# Altium PCB Health Bracelet PCB.PcbDoc
Units mm, origin at the board's own origin, x right, y up, seen from the top; angles counter-clockwise.
Board outline 45.09 x 14.86 mm, 2 copper layers (Top Layer, Bottom Layer); 74 components, 71 nets, 281 pads, 93 vias.
Unrouted connection lines stored in the file: 171.
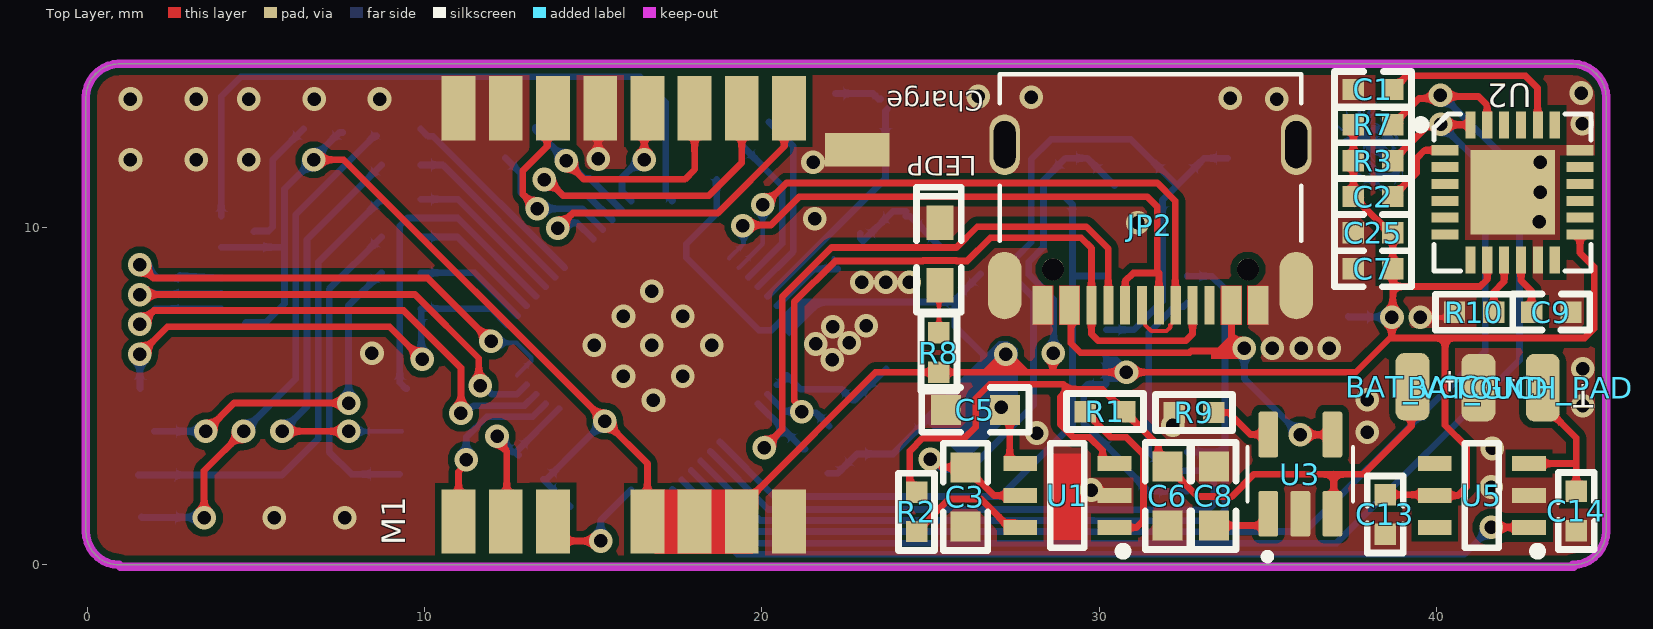
[diagram p0: Top Layer view]
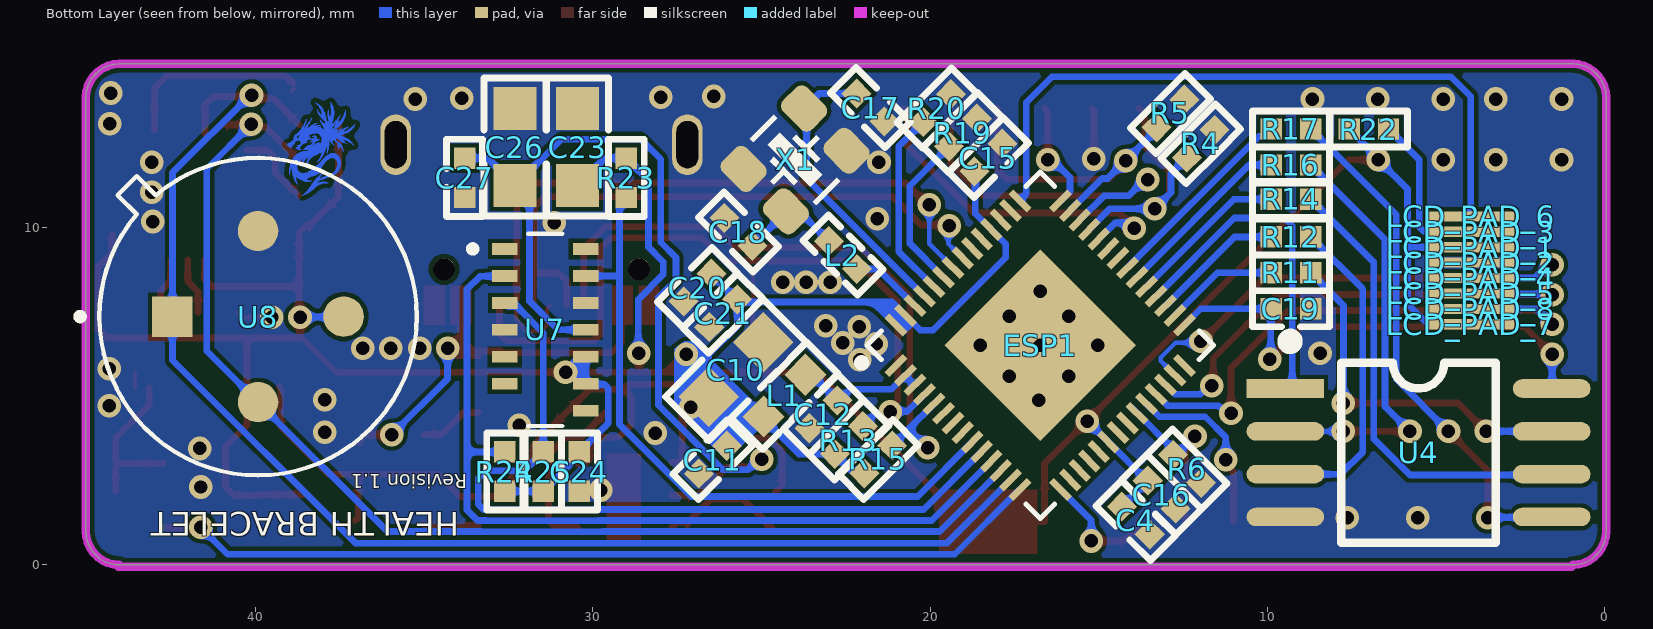
[diagram p1: Bottom Layer view, seen from below]
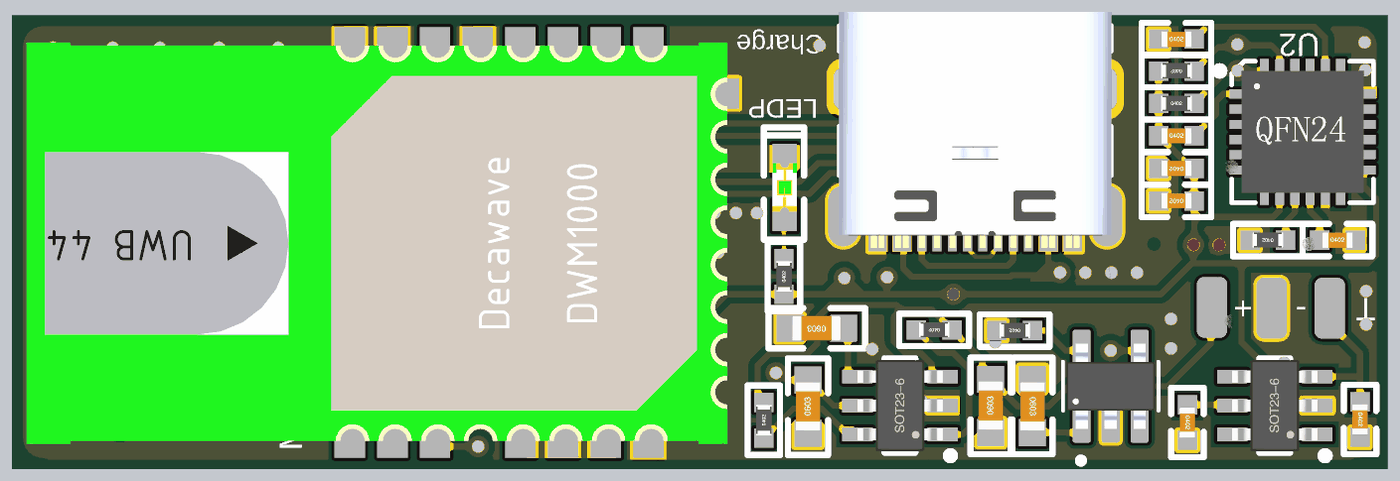
[diagram p2: 3D render of the assembled board from above, using the file's embedded part models]
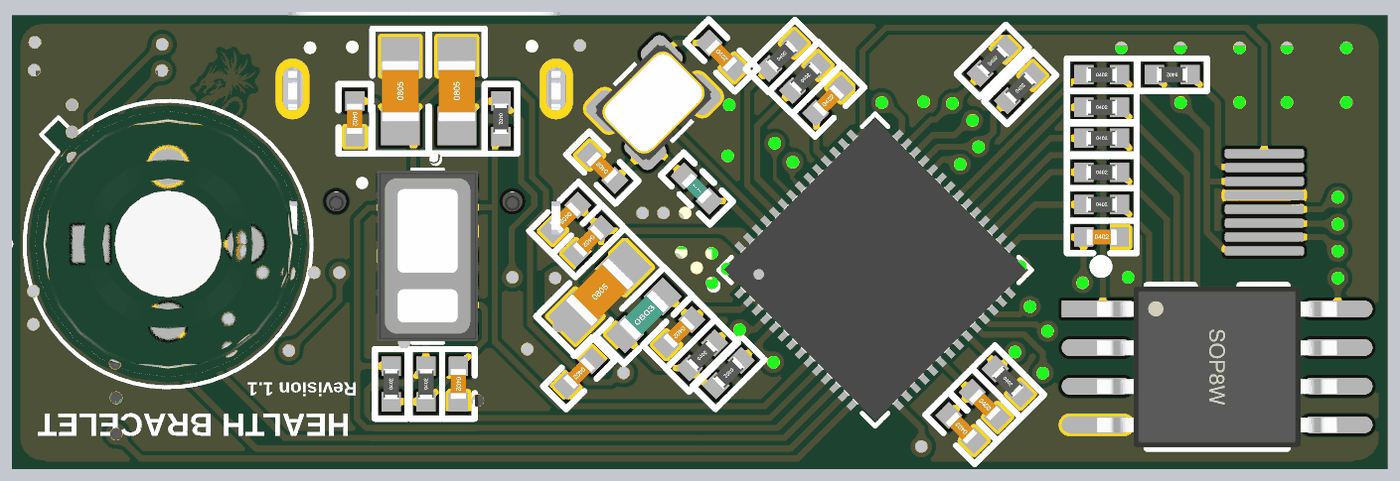
[diagram p3: 3D render of the assembled board from below, using the file's embedded part models]

## Layer stack, top to bottom
Top Solder: solder mask 0.0102, Solder Resist, Dk 3.5
Top Layer: signal copper 0.0356
Dielectric 1: dielectric 0.32, FR-4, Dk 4.8
Bottom Layer: signal copper 0.0356
Bottom Solder: solder mask 0.0102, Solder Resist, Dk 3.5

## Board outline
-0.051,0.991 -0.051,13.868 cw(c0.94,13.868) 0.94,14.859 0.889,14.859 44.044,14.859 cw(c44.044,13.868) 45.034,13.868 45.034,0.991 cw(c44.044,0.991) 44.044,0 44.069,0 0.965,0 0.94,0 cw(c0.94,0.991)

## Design rules (kind name [scope] priority, off if disabled: settings)
Clearance Polygan [InNamedPolygon('GND_L01_P000') Or InNamedPolygon('NONET_L01_P001')] p1: gap=0.2 ignorepadtopadclearanceinfootprint=FALSE
Clearance Track-Pad [All] p2: gap=0.127 ignorepadtopadclearanceinfootprint=FALSE
ComponentClearance [All] p1: gap=0 collisioncheckmode=3 verticalgap=0 showdistances=FALSE
PolygonConnect PolygonConnect_1 [All vs IsNamedPolygon('GND_L01_P000') Or IsNamedPolygon('NONET_L01_P001')] p1: connectstyle=Direct reliefconductorwidth=0.254 reliefentries=4 polygonreliefangle="90 Angle" airgapwidth=0.254
PolygonConnect [All] p2: connectstyle=Direct reliefconductorwidth=0.254 reliefentries=4 polygonreliefangle="90 Angle" airgapwidth=0.254
RoomDefinition Main [InComponentClass('Main')] p1 off: confinementstyle=ConfineIn formatcopy=TRUE lockcomponents=FALSE outline -0.787,62.865 15.723,62.865 15.723,77.343 -0.787,77.343
RoutingVias [All] p1: holewidth=0.4 width=0.7 viastyle="Through Hole" minholewidth=0.4 minwidth=0.7 maxholewidth=0.4 maxwidth=0.7
SolderMaskExpansion [All] p1: expansion=0.102 istentingtop=FALSE
UnRoutedNet [All] p1: checkbadconnections=TRUE
Width [All] p1: maxlimit=0.5 minlimit=0.127 preferedwidth=0.254
28 further rules are at their usual default settings.

## Components (designator, comment, footprint, x,y, rotation, side; value= is the part's Value field where it differs from the comment)
BAT_GND "Test Point Pad" TP07SQ#1 41.25,5.258 r90 top
BAT_VCC "Test Point Pad" TP07SQ#1 39.294,5.283 r90 top
C1 "2200pF" "C 0402" 38.125,14.097 r0 top
C2 "0.01uF" "C 0402" 38.125,10.922 r0 top
C3 "1uF" "C 0603" 26.035,2.032 r90 top
C4 "0.1uF" "C 0402" 13.894,1.321 r45 bottom
C5 "1uF" "C 0603" 26.314,4.597 r180 top
C6 "1uF" "C 0603" 32.029,2.057 r90 top
C7 "0.1uF" "C 0402" 38.125,8.788 r180 top
C8 "1uF" "C 0603" 33.401,2.032 r270 top
C9 "0.1uF" "C 0402" 43.409,7.493 r0 top
C10 "10uF" "C 0805" 25.756,5.791 r135 bottom
C11 "0.1uF" "C 0402" 26.441,3.124 r315 bottom
C12 "0.1uF" "C 0402" 23.165,4.47 r315 bottom
C13 "30pF" "C 0402" 38.481,1.499 r270 top
C14 "100nF" "C 0402" 44.145,1.6 r270 top
C15 "0.1uF" "C 0402" 18.266,12.081 r135 bottom
C16 "0.1uF" "C 0402" 13.132,2.083 r225 bottom
C17 "=Value" "C 0402" 21.768,13.564 r225 bottom
C18 "=Value" "C 0402" 25.679,9.881 r45 bottom
C19 "0.1uF" "C 0402" 9.296,7.595 r180 bottom
C20 "1uf" "C 0402" 26.899,8.23 r315 bottom
C21 "10nF" "C 0402" 26.137,7.468 r315 bottom
C23 "10uF" "C 0805" 30.455,12.395 r90 bottom
C24 "0.1uF" "C 0402" 30.404,2.769 r270 bottom
C25 "0.1uF" "C 0402" 38.125,9.855 r180 top
C26 "4.7uF" "C 0805" 32.309,12.395 r90 bottom
C27 "0.1uF" "C 0402" 33.807,11.481 r270 bottom
ESP1 "U?" "ESP32-S3 CHIP" 16.461,6.64 r135 bottom
JP2 "USB-C" USB-C-RIGHT 31.775,11.633 r180 top
L1 "2nH" "L 0603" 24.308,5.029 r135 bottom
L2 "?uH" "L 0402" 22.581,9.195 r45 bottom
LCD_PAD_1 "Test Point Pad" TP07SQ#2 3.962,9.423 r90 bottom
LCD_PAD_2 "Test Point Pad" TP07SQ#2 3.962,8.966 r90 bottom
LCD_PAD_3 "Test Point Pad" TP07SQ#2 3.962,9.881 r90 bottom
LCD_PAD_4 "Test Point Pad" TP07SQ#2 3.962,8.509 r90 bottom
LCD_PAD_5 "Test Point Pad" TP07SQ#2 3.962,8.052 r90 bottom
LCD_PAD_6 "Test Point Pad" TP07SQ#2 3.962,10.338 r90 bottom
LCD_PAD_7 "Test Point Pad" TP07SQ#2 3.962,7.137 r90 bottom
LCD_PAD_8 "Test Point Pad" TP07SQ#2 3.962,7.595 r90 bottom
LEDP "LED-SMD" "LED 0603R" 25.273,9.22 r90 top (schematic designator LED1)
M1 "DWM1000" DWM1000 11.506,6.985 r90 top
R1 "10K" "R 0402" 30.277,4.115 r180 top
R2 "10K" "R 0402" 24.155,1.473 r90 top
R3 "10K" "R 0402" 38.024,12.421 r0 top
R4 "10K" "R 0402" 12.348,12.725 r135 bottom
R5 "10K" "R 0402" 13.246,13.623 r135 bottom
R6 "10K" "R 0402" 12.141,3.226 r225 bottom
R7 "10K" "R 0402" 38.227,12.624 r180 top
R8 "1K" "R 0402" 24.816,6.198 r90 top
R9 "1.65K" "R 0402" 32.918,4.089 r180 top
R10 "4.7K" "R 0402" 41.224,7.061 r180 top
R11 "0" "R 0402" 9.398,9.097 r180 bottom
R12 "0" "R 0402" 9.398,10.16 r180 bottom
R13 "10K" "R 0402" 22.784,3.937 r135 bottom
R14 "0" "R 0402" 9.398,11.278 r180 bottom
R15 "10K" "R 0402" 21.158,2.896 r315 bottom
R16 "0" "R 0402" 9.398,12.294 r180 bottom
R17 "0" "R 0402" 9.398,13.36 r180 bottom
R19 "10K" "R 0402" 19.399,13.058 r135 bottom
R20 "10K" "R 0402" 20.171,13.783 r135 bottom
R22 "10K" "R 0402" 6.883,12.497 r0 bottom
R23 "10K" "R 0402" 28.575,11.582 r270 bottom
R24 "10K" "R 0402" 33.045,2.667 r90 bottom
R25 "10K" "R 0402" 31.902,2.667 r90 bottom
TOUCH_PAD "Test Point Pad" TP07SQ#1 43.155,5.258 r270 top
U1 "MIC5320" SOT23-6L 29.058,2.057 r90 top
U2 "MPU6050" QFN24 42.261,11.049 r0 top
U3 "LTC4054" SOT25-5L 35.966,2.692 r90 top
U4 "W25Qxx" SOP8W_N 5.512,3.327 r180 bottom
U5 "TTP223" SOT23-6L 41.351,2.057 r90 top
U7 "MAX30102" MAX30102 31.414,6.972 r180 bottom
U8 "MLX90614" MLX90614 39.929,7.366 r180 bottom (schematic designator Temp1)
X1 "40M" XTAL-3225-4 24.003,12.014 r135 bottom

## Footprints (in the part's own frame and the unit in brackets; to place one, negate y for a bottom-side part, rotate by r counter-clockwise, add the part's x,y. Pads: shape width x height; smd on the part's side, far side on the other; paste and mask are expansions set on the pad)
"C 0402" [mil] "ï¿½Þ¼ï¿½ï¿½ï¿½ï¿½ï¿½Æ¬ï¿½ï¿½ï¿½ï¿½"
  rect 25x25 smd: 1(-23,0.16) 2(23,0.16)
  silkscreen extent -45,-21 45,21, body extent -20,-10 20,10, height 20
"C 0603" [mil] "ï¿½Þ¼ï¿½ï¿½ï¿½ï¿½ï¿½Æ¬ï¿½ï¿½ï¿½ï¿½"
  rect 35x35 smd: 1(-35,0) 2(34,0)
  silkscreen extent -63,-26 62,26, body extent -31,-16 31,16, height 32
"C 0805" [mil] "ï¿½Þ¼ï¿½ï¿½ï¿½ï¿½ï¿½Æ¬ï¿½ï¿½ï¿½ï¿½"
  rect 50x50 smd: 1(-45,0) 2(45,0)
  silkscreen extent -81,-36 81,36, body extent -39,-24 39,24, height 20
DWM1000 [mm]
  rect 1.905x1 smd: 1(-5.696,0.505) 2(-5.696,-0.895) 3(-5.696,-2.295) 5(-5.696,-5.095) 6(-5.696,-6.495) 7(-5.696,-7.895) 8(-5.696,-9.295) 17(6.559,-9.295) 18(6.559,-7.895) 19(6.559,-6.495) 20(6.559,-5.095) 21(6.559,-3.695) 22(6.559,-2.295) 23(6.559,-0.895) 24(6.559,0.505)
  rect 1x1.905 smd: 16(5.332,-11.318)
  body extent -6.19,-11.89 7.01,11.11, height 2.9
"ESP32-S3 CHIP" [mil]
  rect 30x8 smd paste+0 mask+0: 1(-147,106.36) 2(-147,90.61) 3(-147,74.87) 4(-147,59.12) 5(-147,43.37) 6(-147,27.62) 7(-147,11.87) 8(-147,-3.87) 9(-147,-19.62) 10(-147,-35.37) 11(-147,-51.12) 12(-147,-66.87) 13(-147,-82.61) 14(-147,-98.36) 29(125,-98.36) 30(125,-82.61) 31(125,-66.87) 32(125,-51.12) 33(125,-35.37) 34(125,-19.62) 35(125,-3.87) 36(125,11.87) 37(125,27.62) 38(125,43.37) 39(125,59.12) 40(125,74.87) 41(125,90.61) 42(125,106.36)
  rect 8x30 smd paste+0 mask+0: 15(-113.36,-132) 16(-97.61,-132) 17(-81.87,-132) 18(-66.12,-132) 19(-50.37,-132) 20(-34.62,-132) 21(-18.87,-132) 22(-3.13,-132) 23(12.62,-132) 24(28.37,-132) 25(44.12,-132) 26(59.87,-132) 27(75.61,-132) 28(91.36,-132) 43(91.36,140) 44(75.61,140) 45(59.87,140) 46(44.12,140) 47(28.37,140) 48(12.62,140) 49(-3.13,140) 50(-18.87,140) 51(-34.62,140) 52(-50.37,140) 53(-66.12,140) 54(-81.87,140) 55(-97.61,140) 56(-113.36,140)
  rect 158x158 smd paste-78.5 mask+0: 57(-11,4)
  silkscreen extent -177,-139 132,147, body extent -150,-135 128,143, height 35
"L 0402" [mm] "Ð¡¹¦ÂÊÌùÆ¬µç¸Ð"
  rect 0.635x0.635 smd: 1(-0.584,0.004) 2(0.584,0.004)
  silkscreen extent -1.14,-0.53 1.14,0.54, body extent -0.5,-0.25 0.5,0.25, height 0.5
"L 0603" [mil] "Ð¡¹¦ÂÊÌùÆ¬µç¸Ð"
  rect 35x35 smd: 1(-35,0) 2(34,0)
  silkscreen extent -63,-26 62,26, body extent -31,-16 31,16, height 31
"LED 0603R" [mm] "ï¿½ï¿½É«0603LED"
  rect 1.016x0.8 smd: 1(-0.927,0) 2(0.927,0)
  silkscreen extent -1.71,-0.63 1.98,0.69, body extent -0.8,-0.4 0.8,0.4, height 0.61
MAX30102 [mm]
  rect 0.75x0.35 smd: 1(-1.2,2.4) 2(-1.2,1.6) 3(-1.2,0.8) 4(-1.2,0) 5(-1.2,-0.8) 6(-1.2,-1.6) 8(1.2,-2.4) 9(1.2,-1.6) 10(1.2,-0.8) 11(1.2,0) 12(1.2,0.8) 13(1.2,1.6) 14(1.2,2.4)
  silkscreen extent -2.25,-2.85 0.51,2.85, body extent -1.65,-2.8 1.65,2.8, height 1.65
MLX90614 [mm]
  rect 1.198x1.198 smd: 1(-2.54,0)
  round 1.198 smd: 2(0,-2.54) 3(2.54,0) 4(0,2.54)
  silkscreen extent -5.38,-4.71 4.71,4.71, body extent -4.56,-4.56 4.56,4.56, height 4.25
QFN24 [mm]
  rect 2.5x2.5 smd: 0(0.005,0)
  rect 0.8x0.3 smd: 1(-2,1.25) 2(-2,0.75) 3(-2,0.25) 4(-2,-0.25) 5(-2,-0.75) 6(-2,-1.25) 13(2,-1.25) 14(2,-0.75) 15(2,-0.25) 16(2,0.25) 17(2,0.75) 18(2,1.25)
  rect 0.3x0.8 smd: 7(-1.25,-2) 8(-0.75,-2) 9(-0.25,-2) 10(0.25,-2) 11(0.75,-2) 12(1.25,-2) 19(1.25,2) 20(0.75,2) 21(0.25,2) 22(-0.25,2) 23(-0.75,2) 24(-1.25,2)
  silkscreen extent -2.84,-2.32 2.32,2.32, body extent -2,-2 2.01,2, height 0.9
"R 0402" [mil] "1/16Wï¿½ï¿½Æ¬ï¿½ï¿½ï¿½ï¿½"
  rect 25x25 smd: 1(-19,-17) 2(27,-17)
  silkscreen extent -41,-38 49,4, body extent -16,-27 24,-7, height 12
SOP8W_N [mm] "5.3*8.3*1.8mm£¨³¤¿í¸ß£©"
  rect 2.3x0.55 smd: 1(-3.95,1.905)
  oval 2.3x0.55 smd: 2(-3.95,0.635) 3(-3.95,-0.635) 4(-3.95,-1.905) 5(3.95,-1.905) 6(3.95,-0.635) 7(3.95,0.635) 8(3.95,1.905)
  silkscreen extent -3.94,-2.67 2.29,3.43, body extent -3.94,-2.64 3.94,2.64, height 1.9
SOT23-6L [mm] "3x1.6x1.1mm(ï¿½ï¿½ï¿½ï¿½ï¿½)"
  rect 0.45x1 smd: 1(-0.95,-1.397) 2(0,-1.397) 3(0.95,-1.397) 4(0.95,1.397) 5(0,1.397) 6(-0.95,1.397)
  silkscreen extent -1.77,-1.78 1.55,0.51, body extent -1.5,-1.4 1.5,1.4, height 1.15
SOT25-5L [mm]
  rrect25% 1.36x0.59 smd: 1(-1.175,0.95) 2(-1.175,0) 3(-1.175,-0.95) 4(1.175,-0.95) 5(1.175,0.95)
  silkscreen extent -2.54,-1.57 0.8,1.57, body extent -1.4,-1.45 1.4,1.45, height 1.45
TP07SQ#1 [mm] "Square SMD Test Pin; 0.7 mm"
  rrect50% 2x1 smd: 1(0,0)
TP07SQ#2 [mm] "Square SMD Test Pin; 0.7 mm"
  rrect50% 0.3x2.6 smd: 1(0,0)
USB-C-RIGHT [mm]
  rect 0.3x1.14 smd: A1(-3.096,3.937) A4(-2.296,3.937) A5(-0.996,3.937) A6(0.004,3.937) A7(0.504,3.937) A8(1.504,3.937) A9(2.804,3.937) A12(3.604,3.937) B1(3.304,3.937) B4(2.504,3.937) B5(2.004,3.937) B6(1.004,3.937) B7(-0.496,3.937) B8(-1.496,3.937) B9(-1.996,3.937) B12(-2.796,3.937)
  oval 1x2 smd: S1(-4.071,3.347) S2(4.579,3.347)
  oval 0.9x1.8 hole 0.65 slot 1.4 at 90 deg: S3(-4.071,-0.833) S4(4.579,-0.833)
  round 0.65 hole 0.65 unplated: ""(-2.636,2.867) ""(3.144,2.867)
  silkscreen extent -4.22,-2.92 4.72,2.03, body extent -4.22,-3.36 4.72,4.39, height 3.26
XTAL-3225-4 [mil]
  rrect50% 40x48 smd: 1(-50,-35) 2(50,-35) 3(50,35) 4(-50,35)
  silkscreen extent -38,-54 37,54, body extent -63,-49 63,49, height 41

## Part data
C1 C2 C3 C4 C5 C6 C7 C8 C9 C10 C11 C12 C13 C14 C15 C16 C17 C18 C19 C20 C21 C23 C24 C25 C26 C27: library part C, "Non-polar patch capacitor", BOM名称=无极性贴片电容, 学习资源=www.ooocke.com, 版权归属=源创客
ESP1: library part "ESP32-S3 CHIP"
JP2: library part USB-C-RIGHT
L1 L2: library part L, "Low power chip inductor", BOM名称=小功率贴片电感, 学习资源=www.ooocke.com, 版权归属=源创客
LEDP: "Patch LED", BOM名称=贴片LED, 学习资源=www.ooocke.com, 版权归属=源创客
R1 R2 R3 R4 R5 R6 R7 R8 R9 R10 R11 R12 R13 R14 R15 R16 R17 R19 R20 R22 R23 R24 R25: library part R, "Chip resistor", BOM名称="Chip resistor", 学习资源=www.ooocke.com, 版权归属=源创客
U2: "Six-axis accelerometer"
U3: "Battery Charger", Type=SOT23-5
U4: "External flash", BOM名称=外置Flash, 学习资源=www.ooocke.com, 版权归属=源创客
U8: "Temperature Sensor Digital, Infrared (IR) -40°C ~ 85°C 16 b TO-39", Auther="AmirHosein Yousefi"
X1: library part XTAL-4, "4-Pin crystal", BOM名称=4脚晶振, 学习资源=www.ooocke.com, 版权归属=源创客
BAT_GND BAT_VCC LCD_PAD_1 LCD_PAD_2 LCD_PAD_3 LCD_PAD_4 LCD_PAD_5 LCD_PAD_6 LCD_PAD_7 LCD_PAD_8 TOUCH_PAD: Category=MISC, Company="SJ Libraries", ComponentLink1Description=Datasheet, Designer="Eng. Saeid Jorablo", HelpURL=http://s3.picofile.com/file/7443264187/Coming_Soon_logo.gif, Mounting Technology="Surface Mount\Through-Hole", Pin Count=0, Update Date=6/3/2012

## Via types
v1: diameter 0.7, hole 0.4, Top Layer to Bottom Layer, tented both sides, 93 vias

## Nets (pads, with @x,y where several pads share a name; then routed paths per layer and width w, separated by ;. In a path a pad name is that pad's centre, name@x,y a point inside that pad or via, vN(x,y) a via of type N, cw(c..) or ccw(c..) an arc to the next point about the centre after c; other vN are vias at no path point)
1.8V: C3.2 C26.1 C27.1 U1.5 U7.11 | length 27.4
  Top Layer w0.2: v1@25.019,3.15 25.081,3.15 25.335,2.896 C3.2 26.684,2.246 26.689,2.246 26.878,2.057 U1.5
  Bottom Layer w0.2: v1(24.986,3.131) 25.096,3.131 25.408,2.819 26.14,2.819 28.056,4.736 28.056,7.936 27.534,8.458 27.534,9.119 27.985,9.57 27.985,12.034 28.575,12.624 30.937,12.624 C26.1 ; U7.11 31.026,6.972 31.877,7.823 31.877,10.82 C26.1 ; C27.1 33.122,12.065 C26.1
3.3V: C2.1 C4.2 C5.1 C7.1 C10.1 C11.1 C13.1 C15.1 C16.1 C20.1 C21.1 C23.1 C24.1 C25.1 ESP1.20 ESP1.46 ESP1.55 ESP1.56 L1.1 LCD_PAD_1.1 LCD_PAD_7.1 M1.5 M1.6 M1.7 R3.1 R7.2 R8.1 R13.1 R15.2 R22.2 R23.1 R24.1 R25.1 U1.4 U2.8 U2.13 U5.5 U7.9 U7.10 U8.3 | length 124.7
  Top Layer w0.2: v1(6.706,12.014) 7.595,12.014 v1(15.342,4.267) ; v1@15.392,4.216 16.602,3.007 M1.5 M1.6 M1.7 19.802,1.689 19.802,2.149 23.368,5.715 R8.1 28.626,5.715 v1(30.81,5.715) 37.609,5.715 38.677,6.782 38.677,7.333 38.71,7.366 38.71,8.255 ; v1(27.102,4.674) 27.178,4.597 C5.1 27.345,4.456 27.345,3.132 27.429,3.048 U1.4@27.661,3.048 ; 27.229,5.74 v1(27.229,6.248) ; 28.626,5.74 28.626,6.267 v1(28.633,6.274) ; R7.2 R3.1 C2.1 38.398,10.069 38.492,10.069 C25.1 C7.1 38.71,8.255 ; C13.1 39.929,2.083 U5.5 40.64,2.057 40.894,2.311 40.894,3.507 40.259,4.142 40.259,6.731 ; 38.659,6.731 40.259,6.731 ; U2.8 41.511,8.466 41.3,8.255 38.71,8.255 ; U2.13 44.261,9.257 44.68,8.838 44.68,7.012 44.399,6.731 40.259,6.731
  Bottom Layer w0.127: C10.1@26.586,5.331 C10.1@26.912,5.331 ; U7.10@30.102,6.284 U7.10
  Bottom Layer w0.2: LCD_PAD_1.1 5.817,9.423 5.842,9.398 ; LCD_PAD_7.1@4.674,7.163 4.698,7.187 5.282,7.187 5.842,7.747 5.842,11.151 v1(6.706,12.014) 6.706,12.065 7.468,12.827 R22.2@7.569,12.827 ; C16.1@13.513,2.54 13.604,2.54 ESP1.20 v1@15.128,4.064 ; C16.1 C4.2 ; v1@15.342,4.216 v1(15.342,4.267) ; C15.1@18.659,11.43 18.659,11.386 18.682,11.363 18.659,11.34 18.659,10.424 ESP1.46 18.183,9.945 17.755,9.517 17.755,9.119 19.914,6.96 20.287,6.96 ESP1.55 21.125,7.798 21.692,7.798 ; ESP1.56@21.031,7.137 21.692,7.798 ; R15.2 22.245,2.716 R13.1 23.89,3.29 L1.1@24.943,4.343 ; L1.1 25.513,4.977 25.75,4.977 25.756,4.983 C10.1@26.552,4.983 ; C21.1@25.721,7.798 21.692,7.798 ; C11.1 26.564,4.073 26.564,4.771 C10.1@26.645,4.851 ; C20.1@26.483,8.629 25.88,8.026 C21.1 25.721,7.076 26.564,6.233 26.564,5.353 C10.1@26.586,5.331 ; C10.1 26.912,5.331 27.225,5.644 27.225,6.245 v1(27.229,6.248) ; v1(28.633,6.274) 28.651,6.292 28.651,7.874 27.915,8.611 27.915,8.992 28.346,9.423 28.346,11.405 R23.1 29.642,12.065 C23.1 ; U7.10 U7.9 30.196,5.354 29.657,5.354 29.54,5.237 29.54,4.212 30.617,3.135 30.617,3.038 31.253,2.402 R25.1 R24.1 ; 30.333,5.715 v1(30.81,5.715) ; U8.3 37.401,7.353 38.672,7.353 v1(38.684,7.341)
5V: JP2.A4 JP2.A9 JP2.B4 JP2.B9 U3.4 | length 13
  Top Layer w0.2: JP2.A9 JP2.B4@29.339,8.063 ; JP2.A9@29.121,7.696 29.164,7.653 29.164,6.574 29.446,6.292 32.676,6.292 32.728,6.344 34.072,6.344 v1@34.155,6.426 ; JP2.B9 JP2.A4@33.986,7.482 ; JP2.A4@33.922,7.696 33.922,6.793 34.155,6.56 v1@34.155,6.426 ; v1(34.308,6.426) v1@34.155,6.426 ; v1(35.966,3.861) 36.721,3.861 36.923,3.659 U3.4@36.923,3.607
  Bottom Layer w0.2: v1(34.308,6.426) 34.308,5.519 v1(35.966,3.861)
DWM_CLK: ESP1.42 M1.20 | length 3.3
  Top Layer w0.2: v1(16.51,12.014) 16.51,13.453 M1.20
  Bottom Layer w0.2: ESP1.42 16.126,10.798 15.85,11.075 15.85,11.489 16.375,12.014 v1(16.51,12.014)
DWM_CS: ESP1.38 M1.17 | length 10.2
  Top Layer w0.2: v1(13.941,9.989) 14.391,10.439 18.69,10.439 20.66,12.409 20.66,13.402 M1.17
  Bottom Layer w0.2: v1(13.941,9.989) 14.073,9.989 14.23,10.146 14.513,10.146 ESP1.38
DWM_EXTON: ESP1.24 M1.1 | length 5.4
  Top Layer w0.2: M1.1 11.002,2.763 11.227,2.989 v1(11.227,3.124)
  Bottom Layer w0.2: v1(11.227,3.124) 11.227,3.785 11.836,4.394 13.196,4.394 ESP1.24
DWM_IO0: 
DWM_IO1: 
DWM_IO2: 
DWM_IO3: 
DWM_IO4: 
DWM_IO5: 
DWM_IO6: 
DWM_IO7: 
DWM_IRQ: ESP1.39 M1.22 R4.1 | length 7.6
  Top Layer w0.2: v1(13.34,10.561) 12.903,10.998 12.903,11.684 13.628,12.409 13.628,13.371 M1.22
  Bottom Layer w0.2: R4.1 12.852,11.61 12.852,11.049 v1(13.34,10.561) ; v1@13.36,10.541 13.386,10.566 14.658,10.566 ESP1.39
DWM_MISO: ESP1.41 M1.19 R5.1 | length 9.6
  Top Layer w0.2: v1(14.199,11.989) 14.199,11.957 14.718,11.437 17.711,11.437 18.007,11.733 18.007,12.28 18.002,12.286 M1.19
  Bottom Layer w0.2: R5.1 13.282,12.905 v1(14.199,11.989) 14.204,11.989 14.732,11.461 14.895,11.461 ESP1.41
DWM_MOSI: ESP1.40 M1.18 | length 10.6
  Top Layer w0.2: v1(13.538,11.43) 13.634,11.43 14.116,10.947 18.415,10.947 19.402,11.934 M1.18
  Bottom Layer w0.2: v1(13.538,11.43) 13.634,11.43 14.116,10.947 14.843,10.947 ESP1.40
DWM_RSTN: ESP1.15 M1.3 | length 3.6
  Top Layer w0.2: M1.3@13.807,1.289 13.807,1.142 14.238,0.711 v1(15.215,0.711)
  Bottom Layer w0.2: v1(15.215,0.711) 15.215,1.322 ESP1.15
DWM_WAKEUP: ESP1.23 M1.2 R6.1 | length 5.4
  Top Layer w0.2: v1(12.141,3.817) 12.141,3.662 12.431,3.373 12.431,1.318 M1.2
  Bottom Layer w0.2: v1(12.141,3.817) 12.618,3.34 R6.1@12.687,3.34 ; R6.1 12.766,3.262 R6.1@12.687,3.34 ; ESP1.23@13.978,4.631 R6.1@12.687,3.34
ESP_EN: ESP1.4 JP2.A5 JP2.B5 R13.2 | length 21.9
  Top Layer w0.2: v1(21.176,4.547) 21.176,4.658 20.955,4.879 20.955,7.798 22.174,9.017 24.768,9.017 24.779,9.028 25.767,9.028 25.778,9.017 26.086,9.017 26.772,9.703 29.464,9.703 29.771,9.395 29.771,6.85 29.976,6.645 32.567,6.645 32.771,6.85 JP2.A5
  Bottom Layer w0.2: ESP1.4 20.667,4.558 21.165,4.558 v1(21.176,4.547) ; v1@21.168,4.511 21.599,4.511 R13.2
ESP_IO0: ESP1.5 JP2.A8 R15.1 | length 19.9
  Top Layer w0.2: v1(20.066,3.48) 20.599,4.013 20.599,7.95 22.062,9.412 25.767,9.412 26.384,10.03 29.62,10.03 30.271,9.378 JP2.A8
  Bottom Layer w0.2: ESP1.5 20.633,4.026 ; v1(20.066,3.48) 20.087,3.48 20.633,4.026 ; R15.1@21.275,3.436 21.223,3.436 20.633,4.026
ESP_RXD: ESP1.50 JP2.A7 JP2.B7 | length 20
  Top Layer w0.127: JP2.A7 31.358,7.61 31.358,7.12 31.542,6.936 32,6.936 32.112,7.047 32.112,7.117 32.271,7.276 JP2.B7
  Top Layer w0.2: v1(20.022,10.686) 20.084,10.686 20.726,11.328 31.725,11.328 32.258,10.795 JP2.B7@32.258,7.899
  Bottom Layer w0.127: ESP1.50 20.022,9.524 v1(20.022,10.686)
ESP_TXD: ESP1.49 JP2.A6 JP2.B6 | length 18.6
  Top Layer w0.2: v1(19.431,10.058) 19.456,10.084 20.269,10.084 21.107,10.922 31.42,10.922 31.725,10.617 31.725,8.661 31.013,8.661 30.771,8.419 JP2.B6 ; JP2.A6 31.771,8.661
  Bottom Layer w0.127: ESP1.49 19.456,9.523 19.456,10.033 v1(19.431,10.058)
GND: BAT_GND.1 C1.1 C3.1 C4.1 C5.2 C6.1 C7.2 C8.1 C9.2 C10.2 C11.2 C12.2 C13.2 C14.2 C15.2 C16.2 C17.2 C18.2 C19.2 C20.2 C21.2 C23.2 C24.2 C25.2 C26.2 C27.2 ESP1.57 JP2.A1 JP2.A12 JP2.B1 JP2.B12 JP2.S1 JP2.S2 JP2.S3 JP2.S4 LCD_PAD_2.1 LEDP.2 M1.8 M1.16 M1.21 M1.23 M1.24 R4.2 R5.2 R6.2 R9.2 R10.2 R19.2 R20.2 U1.2 U2.0 U2.11 U2.18 U3.2 U4.4 U5.2 U7.4 U7.12 U8.4 X1.2 X1.4 | length 4.1
  Top Layer w0.127: v1(39.522,7.341) 40.386,7.341 R10.2
  Top Layer w0.2: v1(15.138,12.04) 15.138,13.481 M1.21 ; 29.134,2.057 29.298,2.222 v1(29.769,2.222) ; v1@29.769,2.184 29.832,2.121 30.391,2.121 U1.2
  other v1: 5.537,1.397 7.62,1.397 41.631,2.311 41.656,3.454 28.143,3.912 37.948,3.937 32.182,4.14 44.348,4.724 16.781,4.889 37.948,4.902 15.892,5.6 17.645,5.6 44.348,5.817 22.083,6.084 8.433,6.274 35.135,6.426 35.992,6.426 36.83,6.426 15.028,6.515 16.73,6.515 18.508,6.515 21.59,6.553 22.584,6.582 22.098,7.061 23.092,7.09 15.892,7.378 17.645,7.378 16.73,8.115 22.965,8.386 23.677,8.386 24.362,8.386 31.148,10.144 43.053,10.185 21.568,10.265 43.078,11.049 21.514,11.938 43.078,11.938 1.27,12.023 3.226,12.023 4.775,12.023 44.323,13.081 1.27,13.818 3.226,13.818 4.775,13.818 6.716,13.818 8.656,13.818 35.27,13.818 33.884,13.843 27.991,13.868 26.416,13.894 44.298,13.995
INPUT: C14.1 TOUCH_PAD.1 U5.3 | length 5.3
  Top Layer w0.127: TOUCH_PAD.1@43.577,5.258 TOUCH_PAD.1@43.577,5.69
  Top Layer w0.2: U5.3 44.116,3.007 44.149,2.974 ; TOUCH_PAD.1 43.155,4.758 44.149,3.763 44.149,2.974 ; C14.1 44.149,2.974
INT: U2.12
LCD_CS: ESP1.25 LCD_PAD_8.1 | length 16.8
  Top Layer w0.2: v1(1.549,7.133) 1.96,7.544 9.373,7.544 11.072,5.845 v1(11.072,4.498)
  Bottom Layer w0.2: v1(1.549,7.133) 2.011,7.595 2.737,7.595 LCD_PAD_8.1 ; v1(11.072,4.498) 11.207,4.498 11.389,4.68 11.409,4.68 11.453,4.724 12.958,4.724 13.295,5.062 ESP1.25
LCD_RESET: LCD_PAD_3.1 R22.1 | length 3.9
  Bottom Layer w0.2: LCD_PAD_3.1@4.928,9.881 4.951,9.904 5.369,9.904 5.489,10.024 5.489,10.538 5.486,10.541 5.486,12.014 R22.1
LCD_RS/DC: ESP1.27 LCD_PAD_4.1 | length 16
  Top Layer w0.2: v1(1.549,8.904) 1.944,8.509 10.084,8.509 v1(11.963,6.629)
  Bottom Layer w0.127: v1(11.963,6.629) 12.006,6.587 12.725,6.587 13.155,6.156 13.155,6.051 ESP1.27
  Bottom Layer w0.2: v1(1.549,8.904) 1.68,8.904 2.074,8.509 LCD_PAD_4.1@2.737,8.509 ; LCD_PAD_4.1@2.737,8.584 LCD_PAD_4.1
LCD_SCL: ESP1.43 LCD_PAD_6.1 | length 20.3
  Bottom Layer w0.2: LCD_PAD_6.1 3.962,13.894 4.547,14.478 12.362,14.478 12.55,14.478 16.382,14.478 17.145,13.715 17.145,11.009 17.345,10.809 17.345,10.806 ESP1.43
LCD_SDA: ESP1.26 LCD_PAD_5.1 | length 15.7
  Top Layer w0.2: v1(1.549,8.018) 9.711,8.018 11.599,6.13 11.599,5.359 v1(11.649,5.309)
  Bottom Layer w0.2: v1(1.549,8.018) 1.566,8.035 3.946,8.035 LCD_PAD_5.1 ; v1(11.649,5.309) 11.743,5.309 11.992,5.059 12.727,5.059 13.013,5.345 ESP1.26
MAX30102_INT: ESP1.9 R23.2 U7.13 | length 19.8
  Bottom Layer w0.2: ESP1.9@18.75,3.647 20.364,2.032 27.08,2.032 29.21,4.162 29.21,8.585 ; R23.2 29.21,10.693 29.21,8.585 ; U7.13 29.223,8.572 29.21,8.585
MAX30102_SCL: ESP1.11 R24.2 U7.2 | length 25.4
  Bottom Layer w0.2: ESP1.11@18.184,3.083 ESP1.11 19.947,1.318 29.848,1.318 29.853,1.313 33.161,1.313 33.165,1.318 33.423,1.318 33.731,1.626 33.731,3.353 ; R24.2 33.731,3.353 ; U7.2 32.626,8.56 33.35,8.56 33.731,8.179 33.731,3.353
MAX30102_SDA: ESP1.10 R25.2 U7.3 | length 23.8
  Bottom Layer w0.2: ESP1.10 18.467,3.364 20.186,1.645 29.984,1.645 29.988,1.64 33.025,1.64 33.03,1.645 33.242,1.645 33.401,1.803 33.401,2.565 33.172,2.794 32.029,2.794 R25.2 31.471,6.883 32.248,7.661 32.502,7.661 U7.3
NetC1_2: C1.2 U2.20 | length 5.7
  Top Layer w0.127: C1.2@38.874,14.114 C1.2@38.938,14.05
  Top Layer w0.2: C1.2@38.883,14.275 39.114,14.505 42.645,14.505 43.002,14.148 U2.20@43.002,12.899
NetC2_2: C2.2 U2.1 | length 2.3
  Top Layer w0.2: C2.2@38.735,10.951 39.421,11.637 39.421,12.065 39.655,12.299 U2.1
NetC8_2: C8.2 U3.1 | length 1.7
  Top Layer w0.2: C8.2 34.972,1.168 U3.1@35.042,1.238
NetC9_1: C9.1 U2.10 | length 1.8
  Top Layer w0.2: U2.10 42.511,8.441 42.824,8.128 C9.1 C9.1@42.824,7.391
NetC12_1: C12.1 ESP1.2 ESP1.3 L1.2 | length 4
  Bottom Layer w0.2: ESP1.3 20.483,5.345 ESP1.2@20.747,5.609 ; ESP1.2 21.149,5.207 22.368,5.207 22.694,4.881 C12.1 ; C12.1@22.774,4.906 L1.2@23.685,5.817
NetC17_1: C17.1 ESP1.53 X1.3 | length 8.5
  Bottom Layer w0.2: ESP1.53 23.662,11.466 23.662,13.469 X1.3 ; C17.1 23.29,13.98 23.452,13.818 X1.3@23.52,13.818
NetC18_1: C18.1 L2.2 X1.1 | length 3.3
  Bottom Layer w0.2: L2.2@22.915,9.834 22.915,9.687 L2.2 23.879,10.488 X1.1 ; X1.1@24.261,10.338 24.396,10.338 C18.1
NetESP1_30: ESP1.30 R11.1 | length 3.4
  Bottom Layer w0.2: R11.1 11.477,8.665 ESP1.30@12.751,7.391
NetESP1_31: ESP1.31 R12.1 | length 4
  Bottom Layer w0.2: R12.1 10.971,9.728 ESP1.31
NetESP1_33: ESP1.33 R14.1 | length 4.8
  Bottom Layer w0.2: R14.1 10.985,10.846 ESP1.33
NetESP1_34: ESP1.34 R16.1 | length 5.4
  Bottom Layer w0.2: R16.1 10.535,11.862 ESP1.34
NetESP1_35: ESP1.35 R17.1 | length 6
  Bottom Layer w0.2: R17.1 10.098,12.711 10.251,12.711 ESP1.35
NetESP1_51: ESP1.51 R19.1 | length 4.8
  Bottom Layer w0.2: R19.1 20.599,11.247 20.599,9.535 ESP1.51
NetESP1_52: ESP1.52 R20.1 | length 5.6
  Bottom Layer w0.2: ESP1.52 20.93,9.3 20.93,12.414 R20.1
NetESP1_54: ESP1.54 L2.1 | length 2.4
  Bottom Layer w0.127: L2.1@22.123,8.954 L2.1@22.123,9.093
  Bottom Layer w0.2: ESP1.54 21.54,8.779 L2.1@22.246,8.779
NetJP2_A2: 
NetJP2_A10: 
NetJP2_B2: 
NetJP2_B10: 
NetLED1_1: LEDP.1 R8.2 | length 1.7
  Top Layer w0.127: R8.2@25.248,6.96 25.248,8.293 25.248,8.598 LEDP.1@25.273,8.623 ; LEDP.1 LEDP.1@25.298,8.268
NetR9_1: R9.1 U3.5 | length 1.9
  Top Layer w0.2: R9.1 33.403,4.519 33.835,4.519 34.487,3.867 U3.5
NetR10_1: R10.1 U2.9 | length 1.7
  Top Layer w0.2: R10.1 41.707,8.103 42.011,8.407 U2.9
REGULATOR_EN1V8: R1.2 U1.1 | length 5.2
  Top Layer w0.127: R1.2@29.555,4.684 R1.2@29.566,4.674
  Top Layer w0.2: R1.2 30.354,3.784 30.811,3.784 31.318,3.277 31.318,1.321 31.105,1.107 U1.1
REGULATOR_EN3V3: R2.1 U1.6 | length 3.7
  Top Layer w0.2: R2.1@24.689,1.092 25.552,1.956 26.492,1.956 27.179,1.269 27.499,1.269 U1.6
SCL: ESP1.13 R7.1 U2.23 U8.1 | length 40.8
  Top Layer w0.2: R7.1 39.486,13.832 40.028,13.832 v1(40.123,13.928) 40.157,13.894 41.25,13.894 41.504,13.64 U2.23@41.504,12.803
  Bottom Layer w0.2: ESP1.13@17.622,2.521 19.498,0.644 37.043,0.644 42.469,6.071 U8.1 42.469,11.633 40.174,13.928 v1(40.123,13.928)
SDA: ESP1.12 R3.2 U2.24 U8.2 | length 36.5
  Top Layer w0.2: R3.2 39.28,12.559 39.706,12.985 40.053,12.985 v1(40.134,13.067) ; v1@40.132,13.056 41.005,13.056 U2.24
  Bottom Layer w0.2: ESP1.12@17.901,2.8 19.71,0.991 29.713,0.991 29.717,0.986 33.296,0.986 33.301,0.991 36.093,0.991 U8.2 41.451,6.348 41.451,11.751 v1(40.134,13.067)
SPICLK: R14.2 U4.6 | length 13.6
  Bottom Layer w0.2: U4.6@1.499,2.667 5.766,2.667 6.836,3.737 6.836,8.969 8.661,10.795 R14.2@8.712,10.795
SPICS0: ESP1.32 U4.1 | length 10
  Bottom Layer w0.2: U4.1 9.432,5.232 9.257,5.407 9.257,9.077 9.257,10.06 9.483,10.287 10.978,10.287 ESP1.32
SPID: R17.2 U4.5 | length 15.3
  Top Layer w0.2: v1(3.454,1.397) 3.454,2.794 v1(4.623,3.962)
  Bottom Layer w0.2: U4.5@1.6,1.422 1.613,1.41 3.442,1.41 v1(3.454,1.397) ; v1(4.623,3.962) 6.169,5.509 6.169,10.385 8.514,12.73 R17.2@8.564,12.73
SPIHD: R11.2 U4.7 | length 10.4
  Top Layer w0.2: v1(3.505,3.962) 4.343,4.801 v1(7.74,4.801)
  Bottom Layer w0.2: U4.7@1.981,3.962 v1(3.505,3.962) ; v1(7.74,4.801) 7.74,7.693 R11.2
SPIQ: R16.2 U4.2 | length 12.7
  Top Layer w0.2: v1(5.766,3.962) v1(7.74,3.962)
  Bottom Layer w0.127: v1(7.74,3.962) U4.2@9.322,3.962
  Bottom Layer w0.2: v1(5.766,3.962) 6.502,4.699 6.502,9.652 R16.2
SPIWP: R12.2 U4.3 | length 9.4
  Bottom Layer w0.2: R12.2 7.163,8.179 7.163,3.353 7.823,2.692 U4.3@9.246,2.692
TTP223_OUT: ESP1.14 U5.1 | length 26.8
  Top Layer w0.2: v1@41.402,1.118 41.707,1.118 41.712,1.112 42.743,1.112 U5.1
  Bottom Layer w0.2: ESP1.14@17.342,2.241 19.266,0.317 40.83,0.317 v1(41.631,1.118)
Vbat: BAT_VCC.1 C6.2 R1.1 R2.2 U1.3 U3.3 | length 25.8
  Top Layer w0.127: U3.3@37.059,1.275 U3.3@37.059,1.372
  Top Layer w0.2: R2.2 24.384,2.362 24.384,3.378 24.765,3.759 26.01,3.759 26.34,4.089 26.34,4.944 26.755,5.359 28.931,5.359 29.083,5.207 ; U1.3 30.225,3.007 30.1,3.132 30.1,3.402 29.718,3.785 29.235,3.785 28.854,4.166 28.854,4.978 29.083,5.207 ; R1.1@30.709,4.597 30.099,5.207 29.083,5.207 ; R1.1 31.758,3.548 31.758,3.244 C6.2@32.055,2.946 ; C6.2 32.918,2.032 33.934,2.032 34.595,2.692 36.957,2.692 ; U3.3@36.957,1.372 36.957,2.692 ; BAT_VCC.1 39.254,5.243 39.254,4.1 37.846,2.692 36.957,2.692
VDD_SPI: C19.1 ESP1.29 U4.8 | length 14.5
  Top Layer w0.2: v1(1.549,6.248) 2.362,7.061 8.959,7.061 v1(9.924,6.096)
  Bottom Layer w0.127: C19.1@9.906,7.771 C19.1@9.952,7.725
  Bottom Layer w0.2: v1(1.549,6.248) 1.549,5.245 U4.8 ; v1(9.924,6.096) 9.892,6.128 9.892,7.587 C19.1 11.969,7.599 ESP1.29
XCL: U2.7
XDA: U2.6
pads on no net: ESP1.1 ESP1.6 ESP1.7 ESP1.8 ESP1.16 ESP1.17 ESP1.18 ESP1.19 ESP1.21 ESP1.22 ESP1.28 ESP1.36 ESP1.37 ESP1.44 ESP1.45 ESP1.47 ESP1.48 JP2. JP2.B8 U2.2 U2.3 U2.4 U2.5 U2.14 U2.15 U2.16 U2.17 U2.19 U2.21 U2.22 U5.4 U5.6 U7.1 U7.5 U7.6 U7.8 U7.14

## Polygon pours and split planes (outlines as drawn)
GND on Top Layer "GND_L01_P000" (solid, remove dead copper, pour order 0): -0.051,0.991 -0.051,13.868 cw(c0.94,13.868) 0.94,14.859 0.889,14.859 44.044,14.859 cw(c44.044,13.868) 45.034,13.868 45.034,0.991 cw(c44.044,0.991) 44.044,0 44.069,0 0.965,0 0.94,0 cw(c0.94,0.991)
GND on Bottom Layer "GND_L02_P001" (solid, remove dead copper, pour order 1): -0.051,0.991 -0.051,13.868 cw(c0.94,13.868) 0.94,14.859 0.889,14.859 44.044,14.859 cw(c44.044,13.868) 45.034,13.868 45.034,0.991 cw(c44.044,0.991) 44.044,0 44.069,0 0.965,0 0.94,0 cw(c0.94,0.991)

## Keep-outs
Keep-Out Layer:
  lines w0.254: 0.889,14.859 44.044,14.859 cw(c44.044,13.868) 45.034,13.868 45.034,0.965 ; 0.94,0 cw(c0.94,0.991) -0.051,0.991 -0.051,13.868 cw(c0.94,13.868) 0.94,14.859 ; 0.965,-0.051 44.069,-0.051 ; 44.044,0 ccw(c44.044,0.991) 45.034,0.991

## Other copper
Top Layer:
  rectangle net 3.3V: 16.815,0.33 19.736,2.235
  rectangle net GND: 28.575,0.737 29.591,3.302
  rectangle net GND: 34.392,7.112 35.027,8.28
  rectangle net GND: 28.016,7.112 28.651,8.28
  rectangle net 5V: 33.604,7.112 34.239,8.28
  rectangle net 5V: 28.804,7.112 29.439,8.28
  region net 5V: 33.884,6.807 33.325,6.248 33.325,6.121 34.239,6.121 34.366,6.248
  region net 3.3V: 27.229,6.452 26.492,5.715 26.492,5.69 27.889,5.69 27.94,5.74
Bottom Layer:
  region net 3.3V: 30.201,5.436 30.201,6.172 30.531,6.172 30.912,5.791 30.556,5.436
  region: 2303 vertices and 1 holes, not listed, extent 37.041,10.947 39.078,13.718
  pour cut-out: 12.674,6.625 16.647,10.598 20.798,6.447 16.752,2.401
  region net 3.3V: 20.803,6.782 20.396,7.188 21.057,7.849 21.615,7.849 21.742,7.722
  region net 3.3V: 27.29,6.629 27.026,6.629 24.752,4.356 26.022,3.086 27.584,4.648 27.584,6.419

## Silkscreen, mask and mechanical layers (free items; w line width, h text height)
Top Overlay:
  text "Charge" at 26.571,14.242 h1 r180
  text "T" at 44.656,5.59 h1.2 r180
  text "-" at 42.035,4.974 h1.2
  text "+" at 40.003,4.902 h1.2
Bottom Overlay:
  text "Revision 1.1" at 33.726,2.817 h0.7 r180
  text "HEALTH BRACELET" at 33.955,1.795 h1.2 r180
Top Solder:
  rectangle: 28.575,0.737 29.591,3.302
Mechanical 1:
  lines w0.254: 2.362,6.528 2.362,10.947 5.588,10.947 5.588,6.528 2.362,6.528